# Altium PCB 键盘.PcbDoc (part 5 of 10)
Units mm, origin at the board's own origin, x right, y up, seen from the top; angles counter-clockwise.
Board outline 100 x 100 mm, 2 copper layers (Top Layer, Bottom Layer); 85 components, 82 nets, 333 pads, 92 vias.
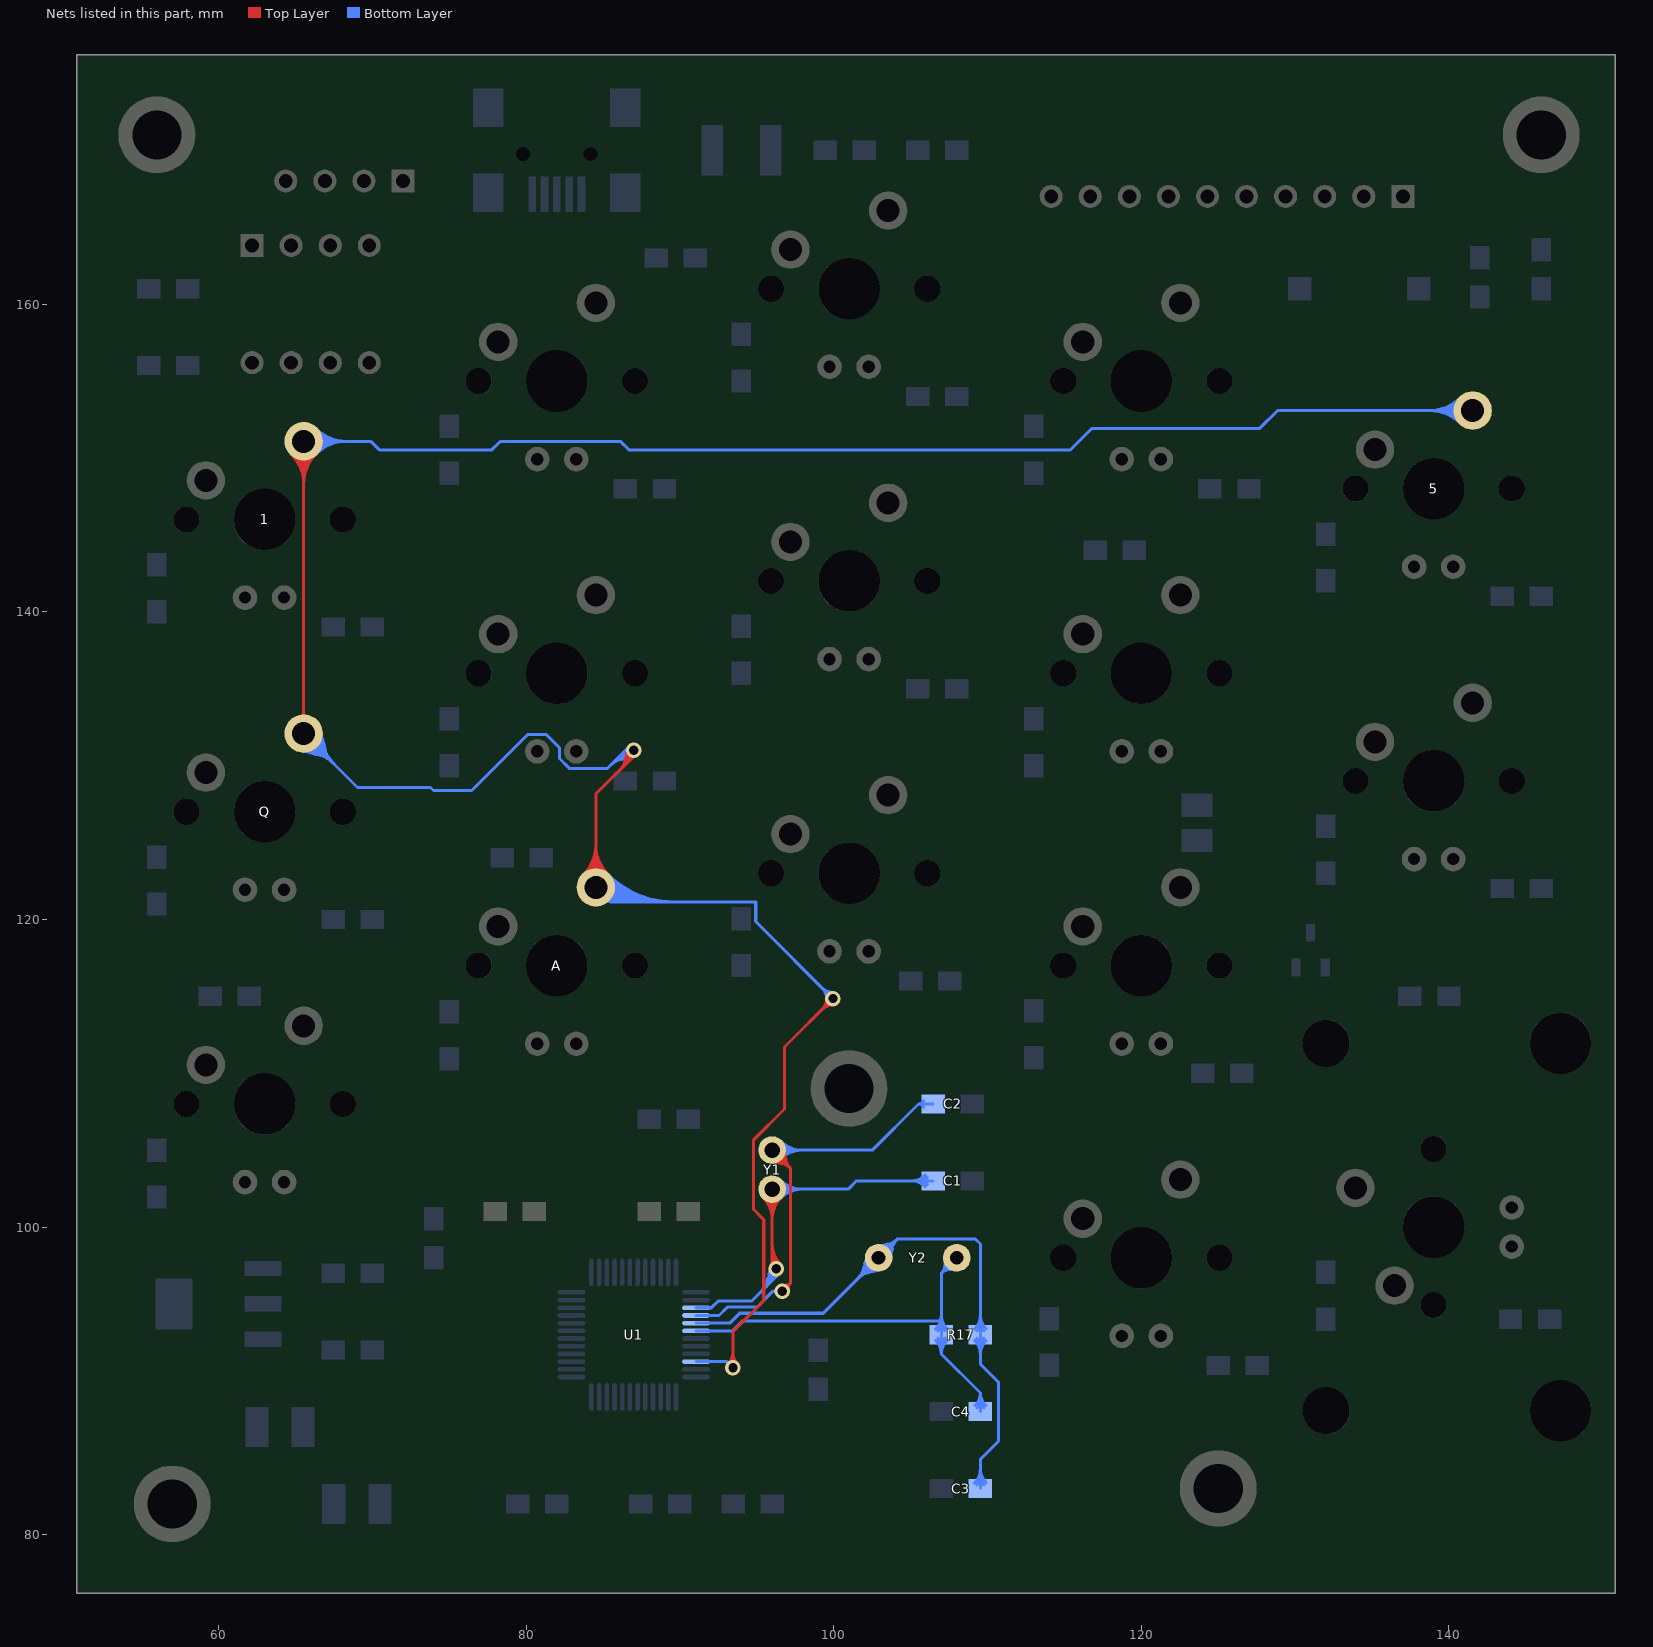
[diagram p5: the nets of this part, all layers, seen from the top]

## Via types
v1: diameter 1, hole 0.6, Top Layer to Bottom Layer, 92 vias

## Nets (pads, with @x,y where several pads share a name; then routed paths per layer and width w, separated by ;. In a path a pad name is that pad's centre, name@x,y a point inside that pad or via, vN(x,y) a via of type N, cw(c..) or ccw(c..) an arc to the next point about the centre after c; other vN are vias at no path point) (continued)
OSC32_IN: C1.2 U1.3 Y1.2 | length 109.6
  Top Layer w0.2: Y1.2@96,102.46 96,97.548 v1(96.266,97.282) ; Y1.2@95.434,101.894 cw(c94.069,100.529) 96,100.529 ; Y1.2@95.434,101.894 cw(c94.069,100.529) 96,100.529 ; Y1.2@95.434,101.894 cw(c94.069,100.529) 96,100.529 ; Y1.2@95.576,102.036 cw(c94.551,101.011) 96,101.011 ; Y1.2@95.576,102.036 cw(c94.551,101.011) 96,101.011 ; Y1.2@95.576,102.036 cw(c94.551,101.011) 96,101.011 ; Y1.2@95.717,102.177 cw(c95.034,101.494) 96,101.494 ; Y1.2@95.717,102.177 cw(c95.034,101.494) 96,101.494 ; Y1.2@95.717,102.177 cw(c95.034,101.494) 96,101.494 ; 96,97.924 ccw(c96.908,97.924) v1(96.266,97.282) ; 96,97.924 ccw(c96.908,97.924) v1(96.266,97.282) ; 96,97.924 ccw(c96.908,97.924) v1(96.266,97.282) ; 96,98.407 ccw(c97.391,98.407) v1@96.407,97.423 ; 96,98.407 ccw(c97.391,98.407) v1@96.407,97.423 ; 96,98.407 ccw(c97.391,98.407) v1@96.407,97.423 ; 96,98.89 ccw(c97.874,98.89) v1@96.549,97.565 ; 96,98.89 ccw(c97.874,98.89) v1@96.549,97.565 ; 96,98.89 ccw(c97.874,98.89) v1@96.549,97.565 ; 96,100.529 cw(c97.931,100.529) Y1.2@96.566,101.894 ; 96,100.529 cw(c97.931,100.529) Y1.2@96.566,101.894 ; 96,100.529 cw(c97.931,100.529) Y1.2@96.566,101.894 ; 96,101.011 cw(c97.449,101.011) Y1.2@96.424,102.036 ; 96,101.011 cw(c97.449,101.011) Y1.2@96.424,102.036 ; 96,101.011 cw(c97.449,101.011) Y1.2@96.424,102.036 ; 96,101.494 cw(c96.966,101.494) Y1.2@96.283,102.177 ; 96,101.494 cw(c96.966,101.494) Y1.2@96.283,102.177 ; 96,101.494 cw(c96.966,101.494) Y1.2@96.283,102.177 ; v1@96.03,97.605 ccw(c95.875,97.818) 96.103,97.95 ; v1@96.03,97.605 ccw(c95.875,97.818) 96.103,97.95 ; v1@96.03,97.605 ccw(c95.875,97.818) 96.103,97.95 ; 96.184,97.811 ccw(c96.449,97.964) v1@96.37,97.668 ; 96.184,97.811 ccw(c96.449,97.964) v1@96.37,97.668 ; 96.184,97.811 ccw(c96.449,97.964) v1@96.37,97.668
  Bottom Layer w0.2: U1.3@91.05,94.75 92.05,94.75 92.492,95.192 94.679,95.192 96.266,96.78 ; Y1.2@96,102.46 100.94,102.46 101.48,103 C1.2@106.46,103 ; 95.228,95.741 ccw(c93.687,97.282) v1@95.866,97.282 ; 95.228,95.741 ccw(c93.687,97.282) v1@95.866,97.282 ; 95.228,95.741 ccw(c93.687,97.282) v1@95.866,97.282 ; 95.569,96.083 ccw(c94.37,97.282) v1@96.066,97.282 ; 95.569,96.083 ccw(c94.37,97.282) v1@96.066,97.282 ; 95.569,96.083 ccw(c94.37,97.282) v1@96.066,97.282 ; 95.656,96.479 cw(c96.926,96.147) v1(96.266,97.282) ; 95.656,96.479 cw(c96.926,96.147) v1(96.266,97.282) ; 95.656,96.479 cw(c96.926,96.147) v1(96.266,97.282) ; 95.778,96.945 cw(c96.585,96.734) v1@96.165,97.455 ; 95.778,96.945 cw(c96.585,96.734) v1@96.165,97.455 ; 95.778,96.945 cw(c96.585,96.734) v1@96.165,97.455 ; 95.863,96.523 cw(c96.722,96.292) v1@96.35,97.1 ; 95.863,96.523 cw(c96.722,96.292) v1@96.35,97.1 ; 95.863,96.523 cw(c96.722,96.292) v1@96.35,97.1 ; 95.911,96.424 ccw(c95.053,97.282) v1(96.266,97.282) ; 95.911,96.424 ccw(c95.053,97.282) v1(96.266,97.282) ; 95.911,96.424 ccw(c95.053,97.282) v1(96.266,97.282) ; v1@95.92,97.082 cw(c95.654,96.929) 95.95,96.85 ; v1@95.92,97.082 cw(c95.654,96.929) 95.95,96.85 ; v1@95.92,97.082 cw(c95.654,96.929) 95.95,96.85 ; v1@96.009,96.976 cw(c95.821,96.751) 96.103,96.675 ; v1@96.009,96.976 cw(c95.821,96.751) 96.103,96.675 ; v1@96.009,96.976 cw(c95.821,96.751) 96.103,96.675 ; 96.103,96.675 cw(c96.386,96.6) v1@96.335,96.888 ; 96.103,96.675 cw(c96.386,96.6) v1@96.335,96.888 ; 96.103,96.675 cw(c96.386,96.6) v1@96.335,96.888 ; v1@96.176,96.892 cw(c96.15,96.78) 96.266,96.78 ; v1@96.176,96.892 cw(c96.15,96.78) 96.266,96.78 ; v1@96.176,96.892 cw(c96.15,96.78) 96.266,96.78 ; 96.252,96.766 ccw(c95.736,97.282) v1@96.466,97.282 ; 96.252,96.766 ccw(c95.736,97.282) v1@96.466,97.282 ; 96.252,96.766 ccw(c95.736,97.282) v1@96.466,97.282 ; 96.266,96.78 cw(c96.382,96.78) v1@96.356,96.892 ; 96.266,96.78 cw(c96.382,96.78) v1@96.356,96.892 ; 96.266,96.78 cw(c96.382,96.78) v1@96.356,96.892 ; 96.266,96.78 v1(96.266,97.282) ; Y1.2@96.283,102.177 cw(c96.966,101.494) 96.966,102.46 ; Y1.2@96.283,102.177 cw(c96.966,101.494) 96.966,102.46 ; Y1.2@96.283,102.177 cw(c96.966,101.494) 96.966,102.46 ; Y1.2@96.283,102.743 ccw(c96.966,103.426) 96.966,102.46 ; Y1.2@96.283,102.743 ccw(c96.966,103.426) 96.966,102.46 ; Y1.2@96.283,102.743 ccw(c96.966,103.426) 96.966,102.46 ; Y1.2@96.424,102.036 cw(c97.449,101.011) 97.449,102.46 ; Y1.2@96.424,102.036 cw(c97.449,101.011) 97.449,102.46 ; Y1.2@96.424,102.036 cw(c97.449,101.011) 97.449,102.46 ; Y1.2@96.424,102.884 ccw(c97.449,103.909) 97.449,102.46 ; Y1.2@96.424,102.884 ccw(c97.449,103.909) 97.449,102.46 ; Y1.2@96.424,102.884 ccw(c97.449,103.909) 97.449,102.46 ; Y1.2@96.566,101.894 cw(c97.931,100.529) 97.931,102.46 ; Y1.2@96.566,101.894 cw(c97.931,100.529) 97.931,102.46 ; Y1.2@96.566,101.894 cw(c97.931,100.529) 97.931,102.46 ; Y1.2@96.566,103.026 ccw(c97.931,104.391) 97.931,102.46 ; Y1.2@96.566,103.026 ccw(c97.931,104.391) 97.931,102.46 ; Y1.2@96.566,103.026 ccw(c97.931,104.391) 97.931,102.46 ; 105.056,103 cw(c105.056,101.733) C1.2@105.952,102.629 ; 105.056,103 ccw(c105.056,104.267) C1.2@105.952,103.371 ; 105.056,103 cw(c105.056,101.733) C1.2@105.952,102.629 ; 105.056,103 ccw(c105.056,104.267) C1.2@105.952,103.371 ; 105.056,103 cw(c105.056,101.733) C1.2@105.952,102.629 ; 105.056,103 ccw(c105.056,104.267) C1.2@105.952,103.371 ; 105.538,103 cw(c105.538,102.215) C1.2@106.093,102.77 ; 105.538,103 ccw(c105.538,103.785) C1.2@106.093,103.23 ; 105.538,103 cw(c105.538,102.215) C1.2@106.093,102.77 ; 105.538,103 ccw(c105.538,103.785) C1.2@106.093,103.23 ; 105.538,103 cw(c105.538,102.215) C1.2@106.093,102.77 ; 105.538,103 ccw(c105.538,103.785) C1.2@106.093,103.23
OSC32_OUT: C2.2 U1.4 Y1.1 | length 80.1
  Top Layer w0.2: Y1.1@96,105 97.2,103.8 ; v1(96.66,95.821) 97.2,96.362 ; Y1.1@95.646,104.814 ccw(c96.836,105.439) 96.613,104.114 ; Y1.1@95.646,104.814 ccw(c96.836,105.439) 96.613,104.114 ; Y1.1@95.646,104.814 ccw(c96.836,105.439) 96.613,104.114 ; Y1.1@96.057,104.403 cw(c96.158,103.358) 96.9,104.1 ; Y1.1@96.057,104.403 cw(c96.158,103.358) 96.9,104.1 ; Y1.1@96.057,104.403 cw(c96.158,103.358) 96.9,104.1 ; Y1.1@96.076,104.204 cw(c96.21,102.81) 97.2,103.8 ; Y1.1@96.076,104.204 cw(c96.21,102.81) 97.2,103.8 ; Y1.1@96.076,104.204 cw(c96.21,102.81) 97.2,103.8 ; Y1.1@96.186,105.354 cw(c95.561,104.164) 96.886,104.387 ; Y1.1@96.186,105.354 cw(c95.561,104.164) 96.886,104.387 ; Y1.1@96.186,105.354 cw(c95.561,104.164) 96.886,104.387 ; v1@96.507,95.951 cw(c97.145,95.41) 97.076,96.244 ; v1@96.507,95.951 cw(c97.145,95.41) 97.076,96.244 ; v1@96.507,95.951 cw(c97.145,95.41) 97.076,96.244 ; Y1.1@96.597,104.943 ccw(c97.642,104.842) 96.9,104.1 ; Y1.1@96.597,104.943 ccw(c97.642,104.842) 96.9,104.1 ; Y1.1@96.597,104.943 ccw(c97.642,104.842) 96.9,104.1 ; v1@96.731,96.215 ccw(c96.825,96.737) 97.2,96.362 ; v1@96.731,96.215 ccw(c96.825,96.737) 97.2,96.362 ; v1@96.731,96.215 ccw(c96.825,96.737) 97.2,96.362 ; v1@96.789,95.669 ccw(c96.248,96.307) 97.082,96.238 ; v1@96.789,95.669 ccw(c96.248,96.307) 97.082,96.238 ; v1@96.789,95.669 ccw(c96.248,96.307) 97.082,96.238 ; Y1.1@96.796,104.924 ccw(c98.19,104.79) 97.2,103.8 ; Y1.1@96.796,104.924 ccw(c98.19,104.79) 97.2,103.8 ; Y1.1@96.796,104.924 ccw(c98.19,104.79) 97.2,103.8 ; v1@97.053,95.893 cw(c97.575,95.987) 97.2,96.362 ; v1@97.053,95.893 cw(c97.575,95.987) 97.2,96.362 ; v1@97.053,95.893 cw(c97.575,95.987) 97.2,96.362 ; 97.2,96.362 97.2,103.8
  Bottom Layer w0.2: U1.4@91.05,94.25 92.545,94.25 93.088,94.792 95.015,94.792 96.044,95.821 ; Y1.1@96,105 102.511,105 105.511,108 ; v1(96.66,95.821) 96.044,95.821 ; C2.2@106.46,108 105.511,108 ; 96.044,95.821 cw(c96.044,95.548) v1@96.294,95.659 ; 96.044,95.821 ccw(c96.044,96.095) v1@96.294,95.984 ; 96.044,95.821 cw(c96.044,95.548) v1@96.294,95.659 ; 96.044,95.821 ccw(c96.044,96.095) v1@96.294,95.984 ; 96.044,95.821 cw(c96.044,95.548) v1@96.294,95.659 ; 96.044,95.821 ccw(c96.044,96.095) v1@96.294,95.984 ; Y1.1@96.283,104.717 cw(c96.966,104.034) 96.966,105 ; Y1.1@96.283,104.717 cw(c96.966,104.034) 96.966,105 ; Y1.1@96.283,104.717 cw(c96.966,104.034) 96.966,105 ; Y1.1@96.283,105.283 ccw(c96.966,105.966) 96.966,105 ; Y1.1@96.283,105.283 ccw(c96.966,105.966) 96.966,105 ; Y1.1@96.283,105.283 ccw(c96.966,105.966) 96.966,105 ; Y1.1@96.424,104.576 cw(c97.449,103.551) 97.449,105 ; Y1.1@96.424,104.576 cw(c97.449,103.551) 97.449,105 ; Y1.1@96.424,104.576 cw(c97.449,103.551) 97.449,105 ; Y1.1@96.424,105.424 ccw(c97.449,106.449) 97.449,105 ; Y1.1@96.424,105.424 ccw(c97.449,106.449) 97.449,105 ; Y1.1@96.424,105.424 ccw(c97.449,106.449) 97.449,105 ; Y1.1@96.566,104.434 cw(c97.931,103.069) 97.931,105 ; Y1.1@96.566,104.434 cw(c97.931,103.069) 97.931,105 ; Y1.1@96.566,104.434 cw(c97.931,103.069) 97.931,105 ; Y1.1@96.566,105.566 ccw(c97.931,106.931) 97.931,105 ; Y1.1@96.566,105.566 ccw(c97.931,106.931) 97.931,105 ; Y1.1@96.566,105.566 ccw(c97.931,106.931) 97.931,105 ; 105.511,108 cw(c105.511,107.634) C2.2@105.844,107.784 ; 105.511,108 ccw(c105.511,108.366) C2.2@105.844,108.216 ; 105.511,108 cw(c105.511,107.634) C2.2@105.844,107.784 ; 105.511,108 ccw(c105.511,108.366) C2.2@105.844,108.216 ; 105.511,108 cw(c105.511,107.634) C2.2@105.844,107.784 ; 105.511,108 ccw(c105.511,108.366) C2.2@105.844,108.216
OSC_IN: C3.2 R17.2 U1.5 Y2.2 | length 143.7
  Bottom Layer w0.2: U1.5@91.05,93.75 93.243,93.75 93.885,94.392 99.312,94.392 Y2.2@102.92,98 ; Y2.2@103.179,98.757 ccw(c103.383,99.352) 103.829,98.909 ; Y2.2@103.677,98.259 cw(c104.272,98.463) 103.829,98.909 ; C3.2@109.54,83 109.54,84.902 110.719,86.081 110.719,89.906 109.54,91.084 R17.2@109.54,93 109.54,98.892 109.22,99.212 104.132,99.212 ; 101.554,96.634 cw(c102.92,95.269) Y2.2@102.92,97.2 ; 101.554,96.634 ccw(c100.189,98) Y2.2@102.12,98 ; 101.554,96.634 cw(c102.92,95.269) Y2.2@102.92,97.2 ; 101.554,96.634 ccw(c100.189,98) Y2.2@102.12,98 ; 101.554,96.634 cw(c102.92,95.269) Y2.2@102.92,97.2 ; 101.554,96.634 ccw(c100.189,98) Y2.2@102.12,98 ; 101.85,96.992 cw(c103.2,96.63) Y2.2@102.92,98 ; 101.85,96.992 cw(c103.2,96.63) Y2.2@102.92,98 ; 101.85,96.992 cw(c103.2,96.63) Y2.2@102.92,98 ; 101.896,96.976 cw(c102.92,95.951) Y2.2@102.92,97.4 ; 101.896,96.976 ccw(c100.871,98) Y2.2@102.32,98 ; 101.896,96.976 cw(c102.92,95.951) Y2.2@102.92,97.4 ; 101.896,96.976 ccw(c100.871,98) Y2.2@102.32,98 ; 101.896,96.976 cw(c102.92,95.951) Y2.2@102.92,97.4 ; 101.896,96.976 ccw(c100.871,98) Y2.2@102.32,98 ; 101.912,96.93 ccw(c101.55,98.281) Y2.2@102.92,98 ; 101.912,96.93 ccw(c101.55,98.281) Y2.2@102.92,98 ; 101.912,96.93 ccw(c101.55,98.281) Y2.2@102.92,98 ; 101.934,97.305 cw(c103.128,96.985) Y2.2@102.88,98.196 ; 101.934,97.305 cw(c103.128,96.985) Y2.2@102.88,98.196 ; 101.934,97.305 cw(c103.128,96.985) Y2.2@102.88,98.196 ; 102.017,97.617 cw(c103.055,97.339) Y2.2@102.84,98.392 ; 102.017,97.617 cw(c103.055,97.339) Y2.2@102.84,98.392 ; 102.017,97.617 cw(c103.055,97.339) Y2.2@102.84,98.392 ; 102.225,97.014 ccw(c101.905,98.208) Y2.2@103.116,97.96 ; 102.225,97.014 ccw(c101.905,98.208) Y2.2@103.116,97.96 ; 102.225,97.014 ccw(c101.905,98.208) Y2.2@103.116,97.96 ; 102.237,97.317 cw(c102.92,96.634) Y2.2@102.92,97.6 ; 102.237,97.317 ccw(c101.554,98) Y2.2@102.52,98 ; 102.237,97.317 cw(c102.92,96.634) Y2.2@102.92,97.6 ; 102.237,97.317 ccw(c101.554,98) Y2.2@102.52,98 ; 102.237,97.317 cw(c102.92,96.634) Y2.2@102.92,97.6 ; 102.237,97.317 ccw(c101.554,98) Y2.2@102.52,98 ; 102.537,97.097 ccw(c102.259,98.135) Y2.2@103.312,97.92 ; 102.537,97.097 ccw(c102.259,98.135) Y2.2@103.312,97.92 ; 102.537,97.097 ccw(c102.259,98.135) Y2.2@103.312,97.92 ; Y2.2@102.56,98.175 cw(c103.731,97.606) 103.505,98.887 ; Y2.2@102.56,98.175 cw(c103.731,97.606) 103.505,98.887 ; Y2.2@102.56,98.175 cw(c103.731,97.606) 103.505,98.887 ; Y2.2@102.92,98 104.132,99.212 ; Y2.2@102.973,98.598 ccw(c103.067,99.671) 103.829,98.909 ; Y2.2@102.973,98.598 ccw(c103.067,99.671) 103.829,98.909 ; Y2.2@102.973,98.598 ccw(c103.067,99.671) 103.829,98.909 ; Y2.2@102.99,98.797 ccw(c103.116,100.229) 104.132,99.212 ; Y2.2@102.99,98.797 ccw(c103.116,100.229) 104.132,99.212 ; Y2.2@102.99,98.797 ccw(c103.116,100.229) 104.132,99.212 ; Y2.2@103.095,97.64 ccw(c102.526,98.811) 103.807,98.585 ; Y2.2@103.095,97.64 ccw(c102.526,98.811) 103.807,98.585 ; Y2.2@103.095,97.64 ccw(c102.526,98.811) 103.807,98.585 ; Y2.2@103.176,98.758 ccw(c103.38,99.363) 103.829,98.909 ; Y2.2@103.175,98.758 ccw(c103.38,99.364) 103.829,98.909 ; Y2.2@103.175,98.758 ccw(c103.38,99.364) 103.829,98.909 ; Y2.2@103.175,98.758 ccw(c103.38,99.364) 103.829,98.909 ; Y2.2@103.179,98.757 ccw(c103.383,99.35) 103.829,98.909 ; Y2.2@103.179,98.757 ccw(c103.383,99.35) 103.829,98.909 ; Y2.2@103.179,98.757 ccw(c103.383,99.35) 103.829,98.909 ; Y2.2@103.518,98.053 cw(c104.591,98.147) 103.829,98.909 ; Y2.2@103.518,98.053 cw(c104.591,98.147) 103.829,98.909 ; Y2.2@103.518,98.053 cw(c104.591,98.147) 103.829,98.909 ; Y2.2@103.677,98.259 cw(c104.27,98.463) 103.829,98.909 ; Y2.2@103.677,98.259 cw(c104.27,98.463) 103.829,98.909 ; Y2.2@103.677,98.259 cw(c104.27,98.463) 103.829,98.909 ; Y2.2@103.678,98.256 cw(c104.283,98.46) 103.829,98.909 ; Y2.2@103.678,98.255 cw(c104.284,98.46) 103.829,98.909 ; Y2.2@103.678,98.255 cw(c104.284,98.46) 103.829,98.909 ; Y2.2@103.678,98.255 cw(c104.284,98.46) 103.829,98.909 ; Y2.2@103.717,98.07 cw(c105.149,98.196) 104.132,99.212 ; Y2.2@103.717,98.07 cw(c105.149,98.196) 104.132,99.212 ; Y2.2@103.717,98.07 cw(c105.149,98.196) 104.132,99.212 ; C3.2@109.169,83.371 ccw(c108.273,84.267) 109.54,84.267 ; C3.2@109.169,83.371 ccw(c108.273,84.267) 109.54,84.267 ; C3.2@109.169,83.371 ccw(c108.273,84.267) 109.54,84.267 ; R17.2@109.169,92.629 cw(c108.273,91.733) 109.54,91.733 ; R17.2@109.169,92.629 cw(c108.273,91.733) 109.54,91.733 ; R17.2@109.169,92.629 cw(c108.273,91.733) 109.54,91.733 ; R17.2@109.169,93.371 ccw(c108.273,94.267) 109.54,94.267 ; R17.2@109.169,93.371 ccw(c108.273,94.267) 109.54,94.267 ; R17.2@109.169,93.371 ccw(c108.273,94.267) 109.54,94.267 ; C3.2@109.31,83.23 ccw(c108.755,83.785) 109.54,83.785 ; C3.2@109.31,83.23 ccw(c108.755,83.785) 109.54,83.785 ; C3.2@109.31,83.23 ccw(c108.755,83.785) 109.54,83.785 ; R17.2@109.31,92.77 cw(c108.755,92.215) 109.54,92.215 ; R17.2@109.31,92.77 cw(c108.755,92.215) 109.54,92.215 ; R17.2@109.31,92.77 cw(c108.755,92.215) 109.54,92.215 ; R17.2@109.31,93.23 ccw(c108.755,93.785) 109.54,93.785 ; R17.2@109.31,93.23 ccw(c108.755,93.785) 109.54,93.785 ; R17.2@109.31,93.23 ccw(c108.755,93.785) 109.54,93.785 ; 109.54,83.785 ccw(c110.325,83.785) C3.2@109.77,83.23 ; 109.54,83.785 ccw(c110.325,83.785) C3.2@109.77,83.23 ; 109.54,83.785 ccw(c110.325,83.785) C3.2@109.77,83.23 ; 109.54,84.267 ccw(c110.807,84.267) C3.2@109.911,83.371 ; 109.54,84.267 ccw(c110.807,84.267) C3.2@109.911,83.371 ; 109.54,84.267 ccw(c110.807,84.267) C3.2@109.911,83.371 ; 109.54,91.733 cw(c110.807,91.733) R17.2@109.911,92.629 ; 109.54,91.733 cw(c110.807,91.733) R17.2@109.911,92.629 ; 109.54,91.733 cw(c110.807,91.733) R17.2@109.911,92.629 ; 109.54,92.215 cw(c110.325,92.215) R17.2@109.77,92.77 ; 109.54,92.215 cw(c110.325,92.215) R17.2@109.77,92.77 ; 109.54,92.215 cw(c110.325,92.215) R17.2@109.77,92.77 ; 109.54,93.785 ccw(c110.325,93.785) R17.2@109.77,93.23 ; 109.54,93.785 ccw(c110.325,93.785) R17.2@109.77,93.23 ; 109.54,93.785 ccw(c110.325,93.785) R17.2@109.77,93.23 ; 109.54,94.267 ccw(c110.807,94.267) R17.2@109.911,93.371 ; 109.54,94.267 ccw(c110.807,94.267) R17.2@109.911,93.371 ; 109.54,94.267 ccw(c110.807,94.267) R17.2@109.911,93.371
OSC_OUT: C4.2 R17.1 U1.6 Y2.1 | length 68.6
  Bottom Layer w0.2: U1.6@91.05,93.25 93.422,93.25 94.056,93.885 106.834,93.885 107,93.719 ; Y2.1@108,98 107,97 ; C4.2@109.54,88 109.54,89.205 ; R17.1@106.629,93.371 ccw(c105.733,94.267) 107,94.267 ; R17.1@106.629,93.371 ccw(c105.733,94.267) 107,94.267 ; R17.1@106.629,93.371 ccw(c105.733,94.267) 107,94.267 ; R17.1@106.631,92.626 cw(c105.762,91.745) 107,91.745 ; R17.1@106.631,92.626 cw(c105.762,91.745) 107,91.745 ; R17.1@106.631,92.626 cw(c105.762,91.745) 107,91.745 ; R17.1@106.77,93.23 ccw(c106.215,93.785) 107,93.785 ; R17.1@106.77,93.23 ccw(c106.215,93.785) 107,93.785 ; R17.1@106.77,93.23 ccw(c106.215,93.785) 107,93.785 ; R17.1@106.772,92.769 cw(c106.234,92.223) 107,92.223 ; R17.1@106.772,92.769 cw(c106.234,92.223) 107,92.223 ; R17.1@106.772,92.769 cw(c106.234,92.223) 107,92.223 ; R17.1@106.84,93.5 ccw(c106.77,93.719) 107,93.719 ; R17.1@106.84,93.5 ccw(c106.77,93.719) 107,93.719 ; R17.1@106.84,93.5 ccw(c106.77,93.719) 107,93.719 ; R17.1@106.84,93.5 ccw(c106.77,93.719) 107,93.719 ; R17.1@106.84,93.5 ccw(c106.77,93.719) 107,93.719 ; R17.1@106.84,93.5 ccw(c106.77,93.719) 107,93.719 ; 107,91.745 cw(c108.238,91.745) R17.1@107.369,92.626 ; 107,91.745 cw(c108.238,91.745) R17.1@107.369,92.626 ; 107,91.745 cw(c108.238,91.745) R17.1@107.369,92.626 ; 107,91.745 R17.1@107,93 107,93.719 ; 107,91.745 109.54,89.205 ; 107,92.223 cw(c107.766,92.223) R17.1@107.228,92.769 ; 107,92.223 cw(c107.766,92.223) R17.1@107.228,92.769 ; 107,92.223 cw(c107.766,92.223) R17.1@107.228,92.769 ; 107,93.719 ccw(c107.23,93.719) R17.1@107.16,93.5 ; 107,93.719 ccw(c107.23,93.719) R17.1@107.16,93.5 ; 107,93.719 ccw(c107.23,93.719) R17.1@107.16,93.5 ; 107,93.719 ccw(c107.23,93.719) R17.1@107.16,93.5 ; 107,93.719 ccw(c107.23,93.719) R17.1@107.16,93.5 ; 107,93.719 ccw(c107.23,93.719) R17.1@107.16,93.5 ; 107,93.719 107,97 ; 107,93.785 ccw(c107.785,93.785) R17.1@107.23,93.23 ; 107,93.785 ccw(c107.785,93.785) R17.1@107.23,93.23 ; 107,93.785 ccw(c107.785,93.785) R17.1@107.23,93.23 ; 107,94.267 ccw(c108.267,94.267) R17.1@107.371,93.371 ; 107,94.267 ccw(c108.267,94.267) R17.1@107.371,93.371 ; 107,94.267 ccw(c108.267,94.267) R17.1@107.371,93.371 ; 107,97 cw(c107.601,96.399) Y2.1@107.807,97.224 ; 107,97 ccw(c106.399,97.601) Y2.1@107.224,97.807 ; 107,97 cw(c107.601,96.399) Y2.1@107.807,97.224 ; 107,97 ccw(c106.399,97.601) Y2.1@107.224,97.807 ; 107,97 cw(c107.601,96.399) Y2.1@107.807,97.224 ; 107,97 ccw(c106.399,97.601) Y2.1@107.224,97.807 ; 107.25,97.25 cw(c107.701,96.799) Y2.1@107.855,97.418 ; 107.25,97.25 ccw(c106.799,97.701) Y2.1@107.418,97.855 ; 107.25,97.25 cw(c107.701,96.799) Y2.1@107.855,97.418 ; 107.25,97.25 ccw(c106.799,97.701) Y2.1@107.418,97.855 ; 107.25,97.25 cw(c107.701,96.799) Y2.1@107.855,97.418 ; 107.25,97.25 ccw(c106.799,97.701) Y2.1@107.418,97.855 ; C4.2@109.183,88.385 ccw(c108.42,89.205) 109.54,89.205 ; C4.2@109.183,88.385 ccw(c108.42,89.205) 109.54,89.205 ; C4.2@109.183,88.385 ccw(c108.42,89.205) 109.54,89.205 ; C4.2@109.319,88.238 ccw(c108.847,88.746) 109.54,88.746 ; C4.2@109.319,88.238 ccw(c108.847,88.746) 109.54,88.746 ; C4.2@109.319,88.238 ccw(c108.847,88.746) 109.54,88.746 ; 109.54,88.746 ccw(c110.233,88.746) C4.2@109.761,88.238 ; 109.54,88.746 ccw(c110.233,88.746) C4.2@109.761,88.238 ; 109.54,88.746 ccw(c110.233,88.746) C4.2@109.761,88.238 ; 109.54,89.205 ccw(c110.66,89.205) C4.2@109.897,88.385 ; 109.54,89.205 ccw(c110.66,89.205) C4.2@109.897,88.385 ; 109.54,89.205 ccw(c110.66,89.205) C4.2@109.897,88.385
PA0: 1.2 5.2 A.2 Q.2 U1.10 | length 618.5
  Top Layer w0.2: Q.2@65.54,132.08 1.2@65.54,151.08 ; A.2@84.54,122.08 84.54,128.152 87,130.612 v1(87,131) ; v1@86.622,130.868 cw(c86.387,130.786) 86.553,130.6 cw(c86.719,130.415) v1@86.827,130.639 ; v1(93.447,90.856) 93.447,93.188 95.453,95.194 95.453,100.483 94.793,101.143 94.793,105.664 96.799,107.671 96.799,111.699 v1(99.949,114.849) ; 1.2@64.727,150.267 cw(c62.764,148.304) 65.54,148.304 ; 1.2@64.727,150.267 cw(c62.764,148.304) 65.54,148.304 ; 1.2@64.727,150.267 cw(c62.764,148.304) 65.54,148.304 ; 1.2@64.868,150.408 cw(c63.247,148.787) 65.54,148.787 ; 1.2@64.868,150.408 cw(c63.247,148.787) 65.54,148.787 ; 1.2@64.868,150.408 cw(c63.247,148.787) 65.54,148.787 ; 1.2@65.01,150.55 cw(c63.729,149.269) 65.54,149.269 ; 1.2@65.01,150.55 cw(c63.729,149.269) 65.54,149.269 ; 1.2@65.01,150.55 cw(c63.729,149.269) 65.54,149.269 ; 1.2@65.151,150.691 cw(c64.212,149.752) 65.54,149.752 ; 1.2@65.151,150.691 cw(c64.212,149.752) 65.54,149.752 ; 1.2@65.151,150.691 cw(c64.212,149.752) 65.54,149.752 ; 65.54,148.304 cw(c68.316,148.304) 1.2@66.353,150.267 ; 65.54,148.304 cw(c68.316,148.304) 1.2@66.353,150.267 ; 65.54,148.304 cw(c68.316,148.304) 1.2@66.353,150.267 ; 65.54,148.787 cw(c67.834,148.787) 1.2@66.212,150.408 ; 65.54,148.787 cw(c67.834,148.787) 1.2@66.212,150.408 ; 65.54,148.787 cw(c67.834,148.787) 1.2@66.212,150.408 ; 65.54,149.269 cw(c67.351,149.269) 1.2@66.07,150.55 ; 65.54,149.269 cw(c67.351,149.269) 1.2@66.07,150.55 ; 65.54,149.269 cw(c67.351,149.269) 1.2@66.07,150.55 ; 65.54,149.752 cw(c66.868,149.752) 1.2@65.929,150.691 ; 65.54,149.752 cw(c66.868,149.752) 1.2@65.929,150.691 ; 65.54,149.752 cw(c66.868,149.752) 1.2@65.929,150.691 ; A.2@83.727,122.893 ccw(c81.764,124.856) 84.54,124.856 ; A.2@83.727,122.893 ccw(c81.764,124.856) 84.54,124.856 ; A.2@83.727,122.893 ccw(c81.764,124.856) 84.54,124.856 ; A.2@83.868,122.752 ccw(c82.246,124.374) 84.54,124.374 ; A.2@83.868,122.752 ccw(c82.246,124.374) 84.54,124.374 ; A.2@83.868,122.752 ccw(c82.246,124.374) 84.54,124.374 ; A.2@84.01,122.61 ccw(c82.729,123.891) 84.54,123.891 ; A.2@84.01,122.61 ccw(c82.729,123.891) 84.54,123.891 ; A.2@84.01,122.61 ccw(c82.729,123.891) 84.54,123.891 ; A.2@84.151,122.469 ccw(c83.212,123.408) 84.54,123.408 ; A.2@84.151,122.469 ccw(c83.212,123.408) 84.54,123.408 ; A.2@84.151,122.469 ccw(c83.212,123.408) 84.54,123.408 ; 84.54,123.408 ccw(c85.868,123.408) A.2@84.929,122.469 ; 84.54,123.408 ccw(c85.868,123.408) A.2@84.929,122.469 ; 84.54,123.408 ccw(c85.868,123.408) A.2@84.929,122.469 ; 84.54,123.891 ccw(c86.351,123.891) A.2@85.07,122.61 ; 84.54,123.891 ccw(c86.351,123.891) A.2@85.07,122.61 ; 84.54,123.891 ccw(c86.351,123.891) A.2@85.07,122.61 ; 84.54,124.374 ccw(c86.833,124.374) A.2@85.212,122.752 ; 84.54,124.374 ccw(c86.833,124.374) A.2@85.212,122.752 ; 84.54,124.374 ccw(c86.833,124.374) A.2@85.212,122.752 ; 84.54,124.856 ccw(c87.316,124.856) A.2@85.353,122.893 ; 84.54,124.856 ccw(c87.316,124.856) A.2@85.353,122.893 ; 84.54,124.856 ccw(c87.316,124.856) A.2@85.353,122.893 ; 86.043,129.654 ccw(c84.697,131) v1@86.6,131 ; 86.043,129.654 ccw(c84.697,131) v1@86.6,131 ; 86.043,129.654 ccw(c84.697,131) v1@86.6,131 ; 86.384,129.996 ccw(c85.38,131) v1@86.8,131 ; 86.384,129.996 ccw(c85.38,131) v1@86.8,131 ; 86.384,129.996 ccw(c85.38,131) v1@86.8,131 ; 86.403,130.266 cw(c87.522,129.966) v1(87,131) ; 86.403,130.266 cw(c87.522,129.966) v1(87,131) ; 86.403,130.266 cw(c87.522,129.966) v1(87,131) ; 86.519,130.698 cw(c87.252,130.501) v1@86.91,131.179 ; 86.519,130.698 cw(c87.252,130.501) v1@86.91,131.179 ; 86.519,130.698 cw(c87.252,130.501) v1@86.91,131.179 ; 86.621,130.332 cw(c87.296,130.151) v1@87.066,130.811 ; 86.621,130.332 cw(c87.296,130.151) v1@87.066,130.811 ; 86.621,130.332 cw(c87.296,130.151) v1@87.066,130.811 ; v1@86.654,130.8 cw(c86.388,130.647) 86.684,130.568 ; v1@86.654,130.8 cw(c86.388,130.647) 86.684,130.568 ; v1@86.654,130.8 cw(c86.388,130.647) 86.684,130.568 ; 86.726,130.337 ccw(c86.063,131) v1(87,131) ; 86.726,130.337 ccw(c86.063,131) v1(87,131) ; 86.726,130.337 ccw(c86.063,131) v1(87,131) ; v1@93.164,91.139 ccw(c92.481,91.821) 93.447,91.821 ; v1@93.164,91.139 ccw(c92.481,91.821) 93.447,91.821 ; v1@93.164,91.139 ccw(c92.481,91.821) 93.447,91.821 ; 93.447,91.821 ccw(c94.412,91.821) v1@93.729,91.139 ; 93.447,91.821 ccw(c94.412,91.821) v1@93.729,91.139 ; 93.447,91.821 ccw(c94.412,91.821) v1@93.729,91.139 ; 99.266,114.166 cw(c99.949,113.483) v1@99.949,114.449 ; 99.266,114.166 ccw(c98.583,114.849) v1@99.549,114.849 ; 99.266,114.166 cw(c99.949,113.483) v1@99.949,114.449 ; 99.266,114.166 ccw(c98.583,114.849) v1@99.549,114.849 ; 99.266,114.166 cw(c99.949,113.483) v1@99.949,114.449 ; 99.266,114.166 ccw(c98.583,114.849) v1@99.549,114.849 ; 99.414,114.345 cw(c100.089,114.164) v1(99.949,114.849) ; 99.414,114.345 cw(c100.089,114.164) v1(99.949,114.849) ; 99.414,114.345 cw(c100.089,114.164) v1(99.949,114.849) ; 99.445,114.314 ccw(c99.264,114.989) v1(99.949,114.849) ; 99.445,114.314 ccw(c99.264,114.989) v1(99.949,114.849) ; 99.445,114.314 ccw(c99.264,114.989) v1(99.949,114.849)
  Bottom Layer w0.2: Q.2@65.54,132.08 69.045,128.575 73.787,128.575 73.984,128.378 76.46,128.378 80.102,132.02 81.315,132.02 82.169,131.166 82.169,130.454 82.804,129.819 85.293,129.819 86.474,131 ; 1.2@65.54,151.08 69.901,151.08 70.46,150.52 77.775,150.52 78.308,151.054 86.157,151.054 86.69,150.52 115.392,150.52 116.789,151.917 127.695,151.917 128.858,153.08 5.2@141.54,153.08 ; A.2@84.442,122.519 cw(c84.696,121.38) 85.812,121.723 ; A.2@84.54,122.08 85.487,121.133 94.935,121.133 94.935,119.863 v1(99.949,114.849) ; U1.10@91.05,91.25 93.052,91.25 v1(93.447,90.856) ; Q.2@64.907,131.931 ccw(c66.377,132.277) 66.011,130.812 ; Q.2@64.907,131.931 ccw(c66.377,132.277) 66.011,130.812 ; Q.2@64.907,131.931 ccw(c66.377,132.277) 66.011,130.812 ; Q.2@65.102,131.977 ccw(c66.737,132.362) 66.33,130.733 ; Q.2@65.102,131.977 ccw(c66.737,132.362) 66.33,130.733 ; Q.2@65.102,131.977 ccw(c66.737,132.362) 66.33,130.733 ; Q.2@65.292,132.053 ccw(c66.581,132.194) 66.245,130.941 ; Q.2@65.292,132.053 ccw(c66.581,132.194) 66.245,130.941 ; Q.2@65.292,132.053 ccw(c66.581,132.194) 66.245,130.941 ; Q.2@65.297,132.023 ccw(c67.096,132.447) 66.648,130.653 ; Q.2@65.297,132.023 ccw(c67.096,132.447) 66.648,130.653 ; Q.2@65.297,132.023 ccw(c67.096,132.447) 66.648,130.653 ; Q.2@65.49,132.075 ccw(c66.893,132.228) 66.528,130.865 ; Q.2@65.49,132.075 ccw(c66.893,132.228) 66.528,130.865 ; Q.2@65.49,132.075 ccw(c66.893,132.228) 66.528,130.865 ; Q.2@65.54,130.93 cw(c65.54,128.154) 67.503,130.117 ; Q.2@65.54,130.93 cw(c65.54,128.154) 67.503,130.117 ; Q.2@65.54,130.93 cw(c65.54,128.154) 67.503,130.117 ; Q.2@65.54,131.13 cw(c65.54,128.836) 67.162,130.458 ; Q.2@65.54,131.13 cw(c65.54,128.836) 67.162,130.458 ; Q.2@65.54,131.13 cw(c65.54,128.836) 67.162,130.458 ; Q.2@65.54,131.33 cw(c65.54,129.519) 66.82,130.8 ; Q.2@65.54,131.33 cw(c65.54,129.519) 66.82,130.8 ; Q.2@65.54,131.33 cw(c65.54,129.519) 66.82,130.8 ; Q.2@65.54,131.53 cw(c65.54,130.202) 66.479,131.141 ; Q.2@65.54,131.53 cw(c65.54,130.202) 66.479,131.141 ; Q.2@65.54,131.53 cw(c65.54,130.202) 66.479,131.141 ; Q.2@65.545,132.13 cw(c65.392,130.727) 66.755,131.092 ; Q.2@65.545,132.13 cw(c65.392,130.727) 66.755,131.092 ; Q.2@65.545,132.13 cw(c65.392,130.727) 66.755,131.092 ; Q.2@65.567,132.329 cw(c65.426,131.039) 66.679,131.375 ; Q.2@65.567,132.329 cw(c65.426,131.039) 66.679,131.375 ; Q.2@65.567,132.329 cw(c65.426,131.039) 66.679,131.375 ; Q.2@65.597,132.323 cw(c65.173,130.524) 66.967,130.972 ; Q.2@65.597,132.323 cw(c65.173,130.524) 66.967,130.972 ; Q.2@65.597,132.323 cw(c65.173,130.524) 66.967,130.972 ; Q.2@65.643,132.518 cw(c65.258,130.883) 66.887,131.29 ; Q.2@65.643,132.518 cw(c65.258,130.883) 66.887,131.29 ; Q.2@65.643,132.518 cw(c65.258,130.883) 66.887,131.29 ; Q.2@65.689,132.713 cw(c65.343,131.243) 66.808,131.609 ; Q.2@65.689,132.713 cw(c65.343,131.243) 66.808,131.609 ; Q.2@65.689,132.713 cw(c65.343,131.243) 66.808,131.609 ; 1.2@65.929,150.691 cw(c66.868,149.752) 66.868,151.08 ; 1.2@65.929,150.691 cw(c66.868,149.752) 66.868,151.08 ; 1.2@65.929,150.691 cw(c66.868,149.752) 66.868,151.08 ; 1.2@65.929,151.469 ccw(c66.868,152.408) 66.868,151.08 ; 1.2@65.929,151.469 ccw(c66.868,152.408) 66.868,151.08 ; 1.2@65.929,151.469 ccw(c66.868,152.408) 66.868,151.08 ; 1.2@66.07,150.55 cw(c67.351,149.269) 67.351,151.08 ; 1.2@66.07,150.55 cw(c67.351,149.269) 67.351,151.08 ; 1.2@66.07,150.55 cw(c67.351,149.269) 67.351,151.08 ; 1.2@66.07,151.61 ccw(c67.351,152.891) 67.351,151.08 ; 1.2@66.07,151.61 ccw(c67.351,152.891) 67.351,151.08 ; 1.2@66.07,151.61 ccw(c67.351,152.891) 67.351,151.08 ; Q.2@66.09,132.08 ccw(c67.418,132.08) 66.479,131.141 ; Q.2@66.09,132.08 ccw(c67.418,132.08) 66.479,131.141 ; Q.2@66.09,132.08 ccw(c67.418,132.08) 66.479,131.141 ; 1.2@66.212,150.408 cw(c67.834,148.787) 67.834,151.08 ; 1.2@66.212,150.408 cw(c67.834,148.787) 67.834,151.08 ; 1.2@66.212,150.408 cw(c67.834,148.787) 67.834,151.08 ; 1.2@66.212,151.752 ccw(c67.834,153.374) 67.834,151.08 ; 1.2@66.212,151.752 ccw(c67.834,153.374) 67.834,151.08 ; 1.2@66.212,151.752 ccw(c67.834,153.374) 67.834,151.08 ; Q.2@66.29,132.08 ccw(c68.101,132.08) 66.82,130.8 ; Q.2@66.29,132.08 ccw(c68.101,132.08) 66.82,130.8 ; Q.2@66.29,132.08 ccw(c68.101,132.08) 66.82,130.8 ; 1.2@66.353,150.267 cw(c68.316,148.304) 68.316,151.08 ; 1.2@66.353,150.267 cw(c68.316,148.304) 68.316,151.08 ; 1.2@66.353,150.267 cw(c68.316,148.304) 68.316,151.08 ; 1.2@66.353,151.893 ccw(c68.316,153.856) 68.316,151.08 ; 1.2@66.353,151.893 ccw(c68.316,153.856) 68.316,151.08 ; 1.2@66.353,151.893 ccw(c68.316,153.856) 68.316,151.08 ; Q.2@66.49,132.08 ccw(c68.784,132.08) 67.162,130.458 ; Q.2@66.49,132.08 ccw(c68.784,132.08) 67.162,130.458 ; Q.2@66.49,132.08 ccw(c68.784,132.08) 67.162,130.458 ; Q.2@66.69,132.08 ccw(c69.466,132.08) 67.503,130.117 ; Q.2@66.69,132.08 ccw(c69.466,132.08) 67.503,130.117 ; Q.2@66.69,132.08 ccw(c69.466,132.08) 67.503,130.117 ; A.2@84.222,121.762 ccw(c85.741,123.281) 85.741,121.133 ; A.2@84.222,121.762 ccw(c85.741,123.281) 85.741,121.133 ; A.2@84.222,121.762 ccw(c85.741,123.281) 85.741,121.133 ; A.2@84.363,121.903 ccw(c86.224,123.764) 86.224,121.133 ; A.2@84.363,121.903 ccw(c86.224,123.764) 86.224,121.133 ; A.2@84.363,121.903 ccw(c86.224,123.764) 86.224,121.133 ; A.2@84.505,122.045 ccw(c86.707,124.247) 86.707,121.133 ; A.2@84.505,122.045 ccw(c86.707,124.247) 86.707,121.133 ; A.2@84.505,122.045 ccw(c86.707,124.247) 86.707,121.133 ; A.2@84.646,122.186 ccw(c87.189,124.729) 87.189,121.133 ; A.2@84.646,122.186 ccw(c87.189,124.729) 87.189,121.133 ; A.2@84.646,122.186 ccw(c87.189,124.729) 87.189,121.133 ; A.2@84.787,122.328 ccw(c87.672,125.212) 87.672,121.133 ; A.2@84.787,122.328 ccw(c87.672,125.212) 87.672,121.133 ; A.2@84.787,122.328 ccw(c87.672,125.212) 87.672,121.133 ; A.2@84.929,122.469 ccw(c88.155,125.695) 88.155,121.133 ; A.2@84.929,122.469 ccw(c88.155,125.695) 88.155,121.133 ; A.2@84.929,122.469 ccw(c88.155,125.695) 88.155,121.133 ; A.2@85.032,121.514 cw(c85.411,121.077) 85.7,121.578 ; A.2@85.032,121.514 cw(c85.411,121.077) 85.7,121.578 ; A.2@85.032,121.514 cw(c85.411,121.077) 85.7,121.578 ; A.2@85.07,122.61 ccw(c88.638,126.178) 88.638,121.133 ; A.2@85.07,122.61 ccw(c88.638,126.178) 88.638,121.133 ; A.2@85.07,122.61 ccw(c88.638,126.178) 88.638,121.133 ; A.2@85.104,121.586 cw(c85.518,121.222) 85.81,121.69 ; A.2@85.104,121.586 cw(c85.518,121.222) 85.81,121.69 ; A.2@85.104,121.586 cw(c85.518,121.222) 85.81,121.69 ; A.2@85.128,121.334 cw(c85.427,120.953) 85.669,121.372 ; A.2@85.128,121.334 cw(c85.427,120.953) 85.669,121.372 ; A.2@85.128,121.334 cw(c85.427,120.953) 85.669,121.372 ; A.2@85.163,121.363 cw(c85.605,120.852) 85.943,121.437 ; A.2@85.163,121.363 cw(c85.605,120.852) 85.943,121.437 ; A.2@85.163,121.363 cw(c85.605,120.852) 85.943,121.437 ; A.2@85.212,122.752 ccw(c89.121,126.661) 89.121,121.133 ; A.2@85.212,122.752 ccw(c89.121,126.661) 89.121,121.133 ; A.2@85.212,122.752 ccw(c89.121,126.661) 89.121,121.133 ; A.2@85.251,121.176 cw(c85.624,120.703) 85.925,121.225 ; A.2@85.251,121.176 cw(c85.624,120.703) 85.925,121.225 ; A.2@85.251,121.176 cw(c85.624,120.703) 85.925,121.225 ; A.2@85.254,121.454 cw(c85.698,121.065) 86.01,121.565 ; A.2@85.254,121.454 cw(c85.698,121.065) 86.01,121.565 ; A.2@85.254,121.454 cw(c85.698,121.065) 86.01,121.565 ; A.2@85.294,121.211 cw(c85.8,120.628) 86.186,121.297 ; A.2@85.294,121.211 cw(c85.8,120.628) 86.186,121.297 ; A.2@85.294,121.211 cw(c85.8,120.628) 86.186,121.297 ; A.2@85.353,122.893 ccw(c89.604,127.144) 89.604,121.133 ; A.2@85.353,122.893 ccw(c89.604,127.144) 89.604,121.133 ; A.2@85.353,122.893 ccw(c89.604,127.144) 89.604,121.133 ; A.2@85.405,121.322 cw(c85.877,120.908) 86.209,121.441 ; A.2@85.405,121.322 cw(c85.877,120.908) 86.209,121.441 ; A.2@85.405,121.322 cw(c85.877,120.908) 86.209,121.441 ; 85.419,129.945 cw(c87,128.364) v1@87,130.6 ; 85.419,129.945 cw(c87,128.364) v1@87,130.6 ; 85.419,129.945 cw(c87,128.364) v1@87,130.6 ; A.2@85.467,121.87 ccw(c85.924,121.767) 85.69,121.361 ; A.2@85.467,121.87 ccw(c85.924,121.767) 85.69,121.361 ; A.2@85.467,121.87 ccw(c85.924,121.767) 85.69,121.361 ; A.2@85.479,122.221 ccw(c86.258,122.338) 85.841,121.67 ; A.2@85.479,122.221 ccw(c86.258,122.338) 85.841,121.67 ; A.2@85.479,122.221 ccw(c86.258,122.338) 85.841,121.67 ; A.2@85.489,122.115 ccw(c86.257,122.143) 85.873,121.478 ; A.2@85.489,122.115 ccw(c86.257,122.143) 85.873,121.478 ; A.2@85.489,122.115 ccw(c86.257,122.143) 85.873,121.478 ; A.2@85.662,121.826 ccw(c86.201,121.704) 85.925,121.225 ; A.2@85.662,121.826 ccw(c86.201,121.704) 85.925,121.225 ; A.2@85.662,121.826 ccw(c86.201,121.704) 85.925,121.225 ; A.2@85.67,122.294 ccw(c86.585,122.466) 86.06,121.697 ; A.2@85.67,122.294 ccw(c86.585,122.466) 86.06,121.697 ; A.2@85.67,122.294 ccw(c86.585,122.466) 86.06,121.697 ; A.2@85.677,122.251 ccw(c86.822,122.423) 86.209,121.441 ; A.2@85.677,122.251 ccw(c86.822,122.423) 86.209,121.441 ; A.2@85.677,122.251 ccw(c86.822,122.423) 86.209,121.441 ; A.2@85.689,122.122 ccw(c86.683,122.159) 86.186,121.297 ; A.2@85.689,122.122 ccw(c86.683,122.159) 86.186,121.297 ; A.2@85.689,122.122 ccw(c86.683,122.159) 86.186,121.297 ; 85.76,130.286 cw(c87,129.047) v1@87,130.8 ; 85.76,130.286 cw(c87,129.047) v1@87,130.8 ; 85.76,130.286 cw(c87,129.047) v1@87,130.8 ; 86.102,130.628 cw(c87,129.73) v1(87,131) ; 86.102,130.628 cw(c87,129.73) v1(87,131) ; 86.102,130.628 cw(c87,129.73) v1(87,131) ; 86.189,130.393 ccw(c85.862,131.676) v1(87,131) ; 86.189,130.393 ccw(c85.862,131.676) v1(87,131) ; 86.189,130.393 ccw(c85.862,131.676) v1(87,131) ; 86.222,130.591 ccw(c85.98,131.492) v1@86.82,131.087 ; 86.222,130.591 ccw(c85.98,131.492) v1@86.82,131.087 ; 86.222,130.591 ccw(c85.98,131.492) v1@86.82,131.087 ; 86.365,130.83 cw(c86.453,130.501) v1@86.705,130.73 ; 86.365,130.83 ccw(c86.277,131.159) v1@86.609,131.086 ; 86.365,130.83 cw(c86.453,130.501) v1@86.705,130.73 ; 86.365,130.83 ccw(c86.277,131.159) v1@86.609,131.086 ; 86.365,130.83 cw(c86.453,130.501) v1@86.705,130.73 ; 86.365,130.83 ccw(c86.277,131.159) v1@86.609,131.086 ; 86.443,130.969 cw(c87,130.412) v1@87,131.2 ; 86.443,130.969 cw(c87,130.412) v1@87,131.2 ; 86.443,130.969 cw(c87,130.412) v1@87,131.2 ; 86.474,131 cw(c86.474,130.854) v1@86.615,130.893 ; 86.474,131 ccw(c86.474,131.146) v1@86.615,131.107 ; 86.474,131 cw(c86.474,130.854) v1@86.615,130.893 ; 86.474,131 ccw(c86.474,131.146) v1@86.615,131.107 ; 86.474,131 cw(c86.474,130.854) v1@86.615,130.893 ; 86.474,131 ccw(c86.474,131.146) v1@86.615,131.107 ; 86.474,131 v1(87,131) ; 86.568,130.684 cw(c86.647,130.388) v1@86.8,130.654 ; 86.568,130.684 cw(c86.647,130.388) v1@86.8,130.654 ; 86.568,130.684 cw(c86.647,130.388) v1@86.8,130.654 ; 86.657,130.513 ccw(c86.449,131.327) v1@87.172,130.898 ; 86.657,130.513 ccw(c86.449,131.327) v1@87.172,130.898 ; 86.657,130.513 ccw(c86.449,131.327) v1@87.172,130.898 ; 99.266,115.531 cw(c98.583,114.849) v1@99.549,114.849 ; 99.266,115.531 ccw(c99.949,116.214) v1@99.949,115.249 ; 99.266,115.531 cw(c98.583,114.849) v1@99.549,114.849 ; 99.266,115.531 ccw(c99.949,116.214) v1@99.949,115.249 ; 99.266,115.531 cw(c98.583,114.849) v1@99.549,114.849 ; 99.266,115.531 ccw(c99.949,116.214) v1@99.949,115.249 ; 99.414,115.353 ccw(c100.089,115.534) v1(99.949,114.849) ; 99.414,115.353 ccw(c100.089,115.534) v1(99.949,114.849) ; 99.414,115.353 ccw(c100.089,115.534) v1(99.949,114.849) ; 99.445,115.384 cw(c99.264,114.708) v1(99.949,114.849) ; 99.445,115.384 cw(c99.264,114.708) v1(99.949,114.849) ; 99.445,115.384 cw(c99.264,114.708) v1(99.949,114.849) ; 138.764,153.08 cw(c138.764,150.304) 5.2@140.727,152.267 ; 138.764,153.08 ccw(c138.764,155.856) 5.2@140.727,153.893 ; 138.764,153.08 cw(c138.764,150.304) 5.2@140.727,152.267 ; 138.764,153.08 ccw(c138.764,155.856) 5.2@140.727,153.893 ; 138.764,153.08 cw(c138.764,150.304) 5.2@140.727,152.267 ; 138.764,153.08 ccw(c138.764,155.856) 5.2@140.727,153.893 ; 139.246,153.08 cw(c139.246,150.787) 5.2@140.868,152.408 ; 139.246,153.08 ccw(c139.246,155.374) 5.2@140.868,153.752 ; 139.246,153.08 cw(c139.246,150.787) 5.2@140.868,152.408 ; 139.246,153.08 ccw(c139.246,155.374) 5.2@140.868,153.752 ; 139.246,153.08 cw(c139.246,150.787) 5.2@140.868,152.408 ; 139.246,153.08 ccw(c139.246,155.374) 5.2@140.868,153.752 ; 139.729,153.08 cw(c139.729,151.269) 5.2@141.01,152.55 ; 139.729,153.08 ccw(c139.729,154.891) 5.2@141.01,153.61 ; 139.729,153.08 cw(c139.729,151.269) 5.2@141.01,152.55 ; 139.729,153.08 ccw(c139.729,154.891) 5.2@141.01,153.61 ; 139.729,153.08 cw(c139.729,151.269) 5.2@141.01,152.55 ; 139.729,153.08 ccw(c139.729,154.891) 5.2@141.01,153.61 ; 140.212,153.08 cw(c140.212,151.752) 5.2@141.151,152.691 ; 140.212,153.08 ccw(c140.212,154.408) 5.2@141.151,153.469 ; 140.212,153.08 cw(c140.212,151.752) 5.2@141.151,152.691 ; 140.212,153.08 ccw(c140.212,154.408) 5.2@141.151,153.469 ; 140.212,153.08 cw(c140.212,151.752) 5.2@141.151,152.691 ; 140.212,153.08 ccw(c140.212,154.408) 5.2@141.151,153.469